# Altium PCB m-BLANC.PcbDoc (part 15 of 15)
Units mm, origin at the board's own origin, x right, y up, seen from the top; angles counter-clockwise.
Board outline 100 x 100 mm, 6 copper layers (Top Layer, InLayer1 (GND), InLayer2 (Signal), InLayer3 (PWR), InLayer4 (GND), Bottom Layer), stack 1.634 mm thick; 322 components, 563 nets, 2865 pads, 1870 vias.
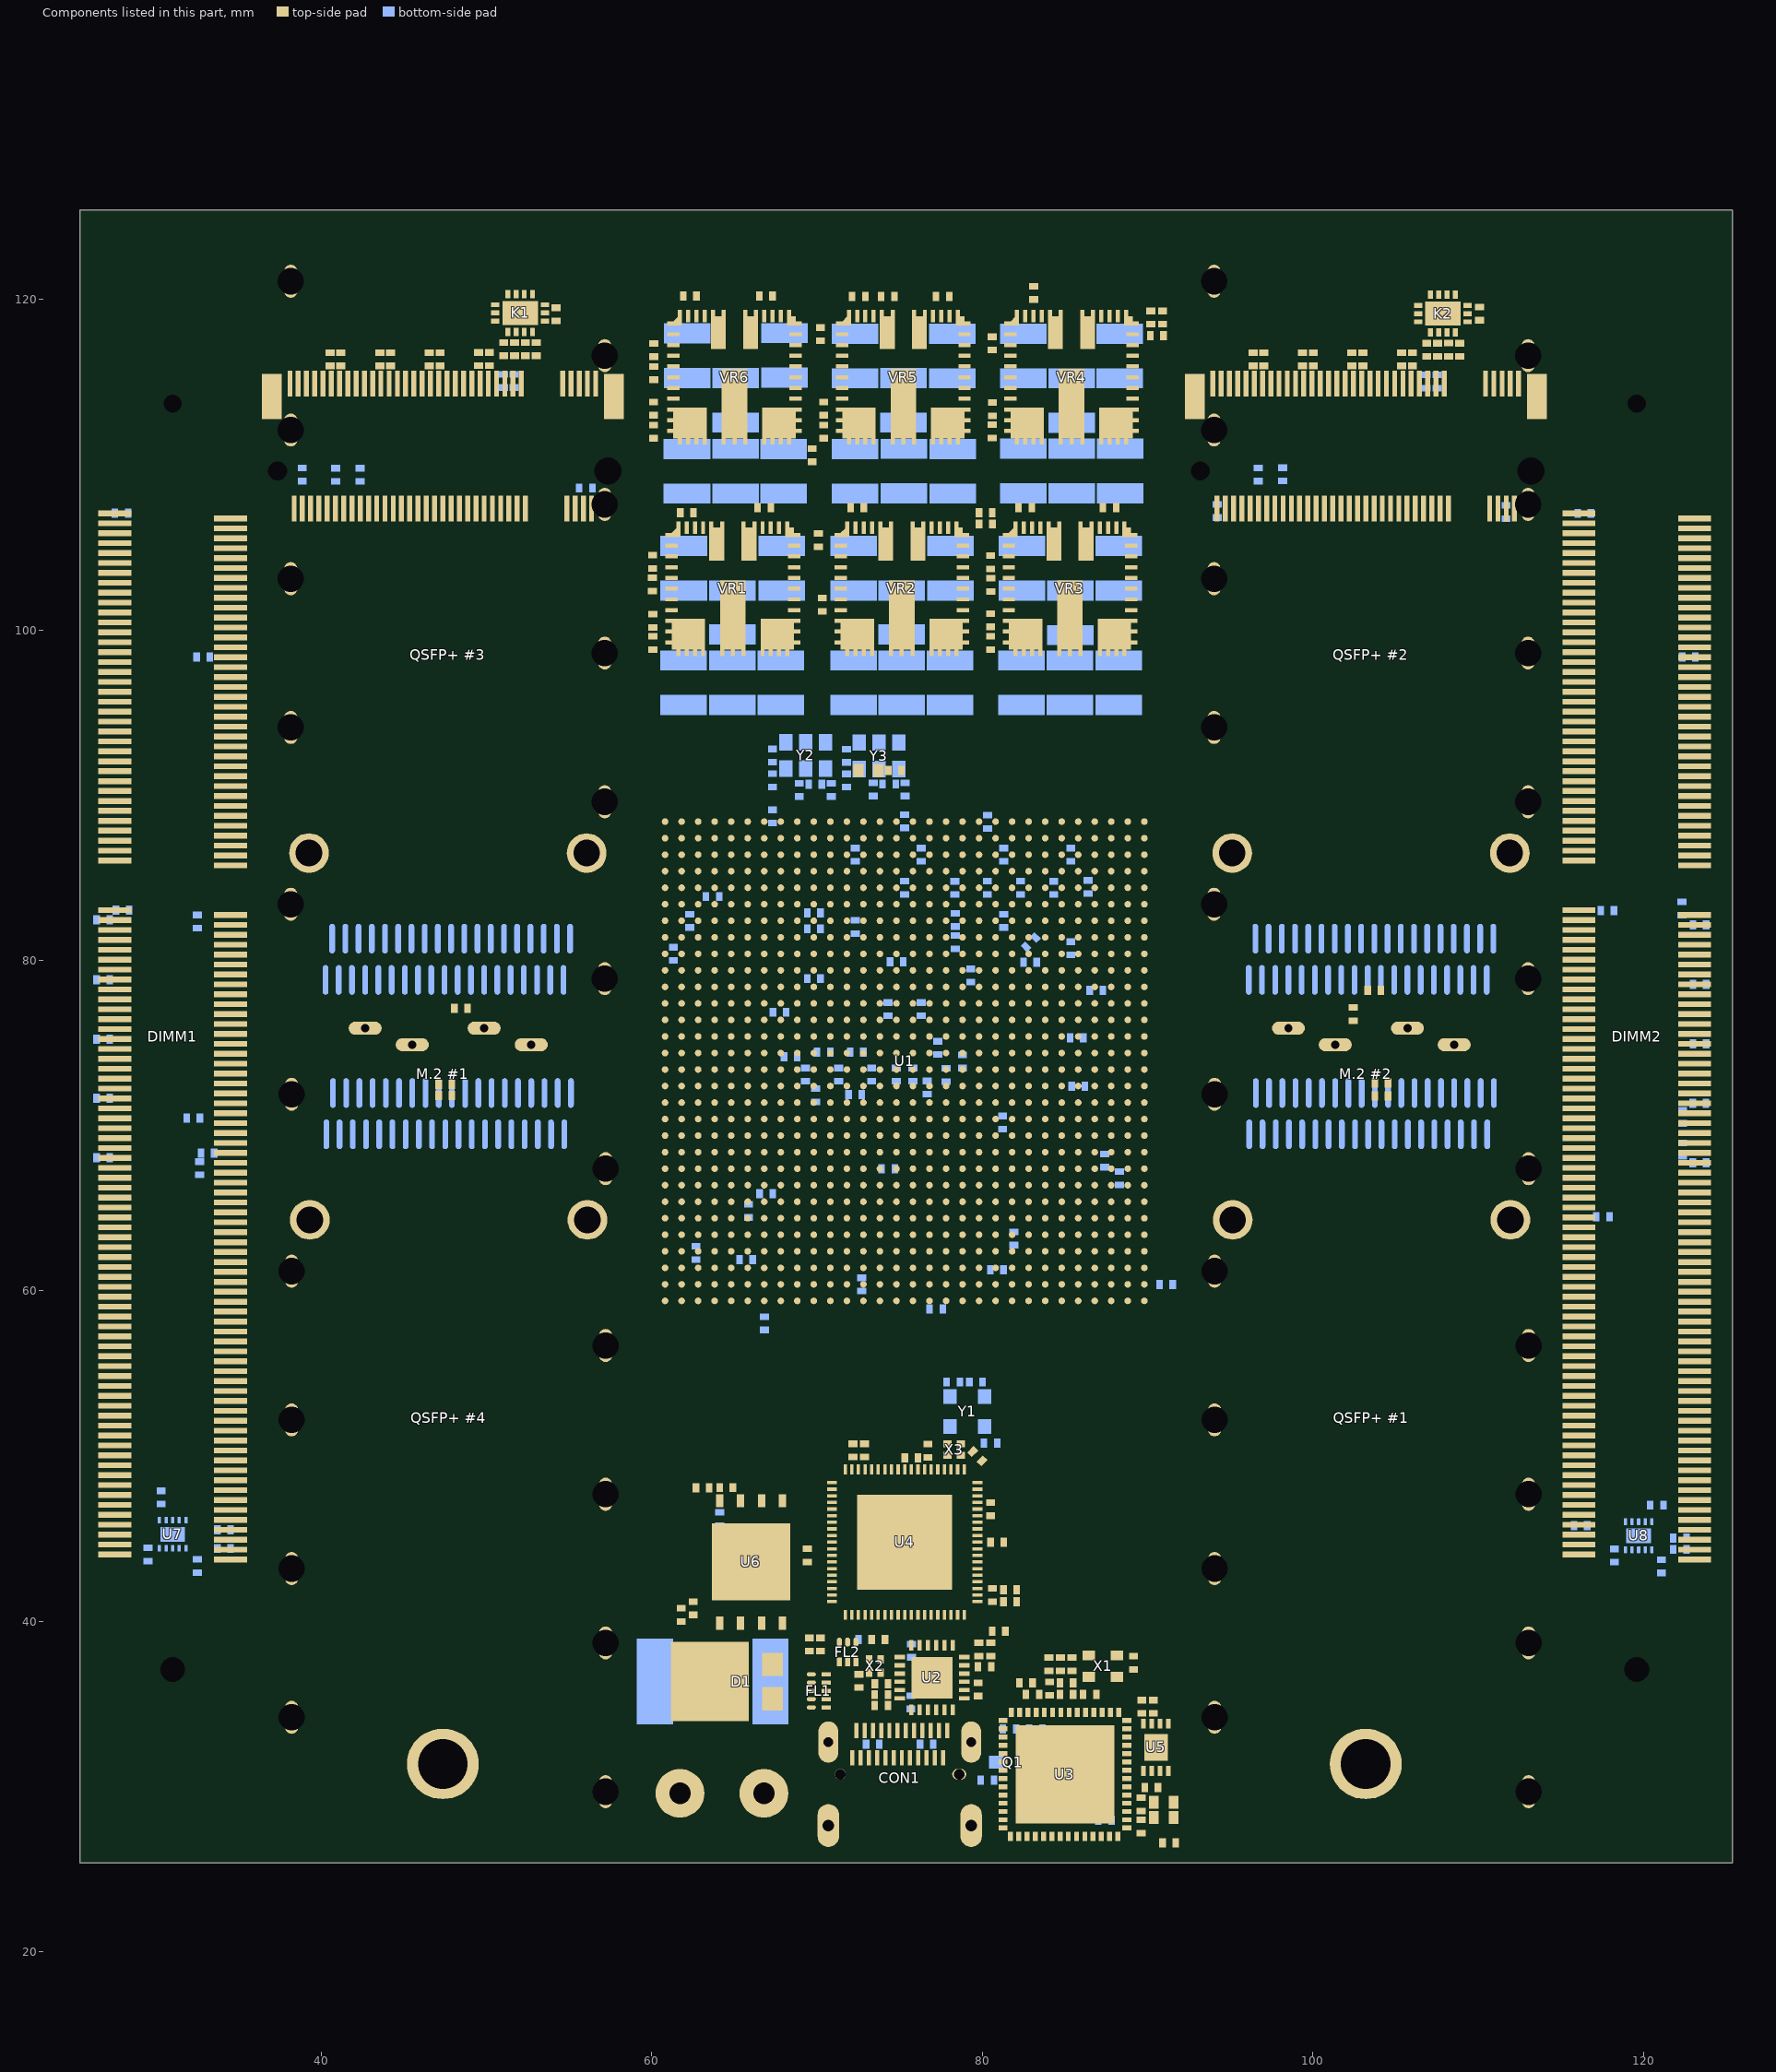
[diagram p19: the components of this part, seen from the top]

## Polygon pours and split planes (outlines as drawn) (continued)
1.2V on InLayer3 (PWR) "1.2V_L04_P013" (solid, pour order 13): 88.7,87.927 88.7,79.7 84.9,79.7 84.9,82.6 86.9,82.6 86.9,87.927
1.2V on InLayer3 (PWR) "1.2V_L04_P012" (solid, remove dead copper, pour order 12): 65.3,79.678 60.1,79.678 60.1,87.927 88.7,87.927 88.7,84.6 61.746,84.6 61.746,82.6 65.3,82.6
1.0V on InLayer3 (PWR) "1.0V_L04_P010" (solid, remove dead copper, pour order 10): 53.8,100.9 60,100.9 60,74.232 53.8,74.232
1.0V on InLayer3 (PWR) "1.0V_L04_P008" (solid, remove dead copper, pour order 8): 61.1,98.7 73.522,98.7 73.521,95 61.1,95
1.0V on InLayer3 (PWR) "1.0V_L04_P007" (solid, remove dead copper, pour order 7): 57.7,79.58 67,79.58 67,74.226 57.7,74.226
1.0V on InLayer3 (PWR) "1.0V_L04_P006" (solid, remove dead copper, pour order 6): 61.849,84.5 61.849,82.7 86.8,82.7 86.8,84.5
1.35V on InLayer3 (PWR) "1.35V_L04_P005" (solid, pour order 5): 80.82,58.5 83.9,58.5 83.9,72.2 80.834,72.2
1.35V on InLayer3 (PWR) "1.35V_L04_P002" (solid, pour order 2): 114.7,80.128 114.7,82.2 92.45,82.2 92.45,80.151
1.35V on InLayer3 (PWR) "1.35V_L04_P001" (solid, pour order 1): 113.2,85.707 113.2,83.704 124.422,83.704 124.422,85.696
1.35V on InLayer3 (PWR) "1.35V_L04_P000" (solid, pour order 0): 113.194,80.128 115.192,80.128 115.192,85.707 113.2,85.707
GND on Bottom Layer "GND_Bottom" (solid, remove dead copper, pour order 77): 25.4,125.4 125.4,125.4 125.4,25.4 25.4,25.4
VIN on Bottom Layer "VIN_L06_P076" (solid, pour order 76): 25.4,119.805 25.4,116.339 42.25,116.339 42.25,119.795
VIN on Bottom Layer "VIN_L06_P071" (solid, pour order 71): 39,121.341 39,117.872 60.5,117.872 60.5,121.328
GND on Bottom Layer "GND_L06_P056" (solid, pour order 56): 60.494,102.995 89.737,102.995 89.737,98.74 86.727,98.74 86.727,100.827 80.939,100.827 80.95,96.011 79.447,96.011 79.447,98.764 76.538,98.764 76.538,100.826 69.095,100.826 69.095,98.877 69.223,98.749 66.284,98.749 66.284,100.827 60.494,100.827
GND on Bottom Layer "GND_L06_P055" (solid, pour order 55): 60.68,115.842 89.727,115.842 89.728,115.842 89.728,111.582 86.8,111.582 86.8,113.662 81.074,113.662 81.084,113.652 81.084,108.818 79.6,108.818 79.6,111.56 76.635,111.56 76.635,113.656 70.894,113.656 70.904,113.646 70.904,108.833 69.4,108.84 69.4,111.561 66.499,111.561 66.499,113.651 60.686,113.651
NetD2_2 on Bottom Layer "NETD2_2_L06_P052" (solid, pour order 52): 68.275,38.959 66.075,38.959 66.075,31.1 65.3,31.1 65.3,28.1 68.275,28.1
GND on Bottom Layer "GND_L06_P047" (solid, pour order 47): 60.493,94.624 89.733,94.624 89.733,96.065 60.493,96.065
GND on Bottom Layer "GND_L06_P046" (solid, pour order 46): 60.592,107.426 89.732,107.426 89.732,108.867 60.592,108.867
VIN on Bottom Layer "VIN_L06_P042" (solid, pour order 42): 60.589,103.148 60.6,120.1 57.887,120.1 57.887,103.142
VIN on Bottom Layer "VIN_L06_P041" (solid, pour order 41): 60.41,103.148 89.732,103.129 89.732,107.323 60.399,107.323
VIN on Bottom Layer "VIN_L06_P040" (solid, pour order 40): 60.409,115.968 89.734,115.949 89.734,120.1 60.398,120.1
1.0V on Bottom Layer "1.0V_L06_P039" (solid, pour order 39): 69.095,100.826 76.538,100.826 76.538,98.764 79.447,98.764 79.447,96.164 69.105,96.164
1.0V on Bottom Layer "1.0V_L06_P038" (solid, pour order 38): 60.494,100.827 66.284,100.827 66.284,98.749 69.223,98.749 69.223,96.146 60.494,96.146
1.2V on Bottom Layer "1.2V_L06_P036" (solid, pour order 36): 80.939,100.827 86.727,100.827 86.727,98.74 89.733,98.74 89.733,96.139 80.949,96.139
1.35V on Bottom Layer "1.35V_L06_P035" (solid, pour order 35): 81.074,113.662 86.8,113.662 86.8,111.582 89.729,111.582 89.729,108.986 81.084,108.986
1.8V on Bottom Layer "1.8V_L06_P034" (solid, pour order 34): 70.894,113.656 76.635,113.656 76.635,111.56 79.6,111.56 79.6,108.959 70.904,108.959
3.3V on Bottom Layer "3.3V_L06_P033" (solid, pour order 33): 60.7,108.967 60.7,113.651 66.499,113.651 66.499,111.561 69.4,111.561 69.4,108.967
GND on InLayer1 (GND) "GND_InLayer1" (solid, remove dead copper, pour order 68): 25.4,125.4 125.4,125.4 125.4,25.4 25.4,25.4
1.8V on InLayer1 (GND) "1.8V_L02_P059" (solid, pour order 59): 71.421,101.2 73.911,101.2 73.89,74.246 70.592,74.246 70.592,72.5 79.053,72.5 79.053,74.246 76.746,74.246 76.746,103.6 71.421,103.6
1.8V on InLayer1 (GND) "1.8V_L02_P127" (solid, pour order 127): 69,83.2 81.5,83.2 81.5,81.3 69,81.3
1.8V on InLayer1 (GND) "1.8V_L02_P060" (solid, pour order 60): 69,83.2 81.5,83.2 81.5,81.3 69,81.3
GND on Top Layer "GND_Top" (solid, remove dead copper, pour order 130): 25.4,125.4 125.4,125.4 125.4,25.4 25.4,25.4
GND on InLayer4 (GND) "GND_InLayer4" (solid, remove dead copper, pour order 72): 25.4,125.4 125.4,125.4 125.4,25.4 25.4,25.4
GND on InLayer2 (Signal) "GND_InLayer2" (solid, remove dead copper, pour order 69): 25.4,125.4 125.4,125.4 125.4,25.4 25.4,25.4

## Keep-outs
Keep-Out Layer:
  the board outline again, w0.1

## Other copper
Top Layer:
  rectangle net 3.3V: 38.3,106.577 38.9,108.125
  rectangle net 3.3V: 94.07,106.577 94.815,108.125
  rectangle net 3.3V: 96.697,106.575 98.272,108.124
  rectangle net 3.3V: 40.721,106.575 42.478,108.124
  rectangle net 3.3V: 111.059,106.577 112.333,108.125
  rectangle net GND: 69.9,118.235 72.088,119.4
  rectangle net GND: 77.738,33.3 78.4,33.842
  rectangle net GND: 70.643,31.448 72.125,32.2
  rectangle net 3.3V: 55.197,106.575 56.47,108.124
  region net GND: 79.5,37.7 80.3,37.7 80.3,37 83.2,37 83.6,37.4 87.1,37.4 87.1,38.3 79.5,38.3
InLayer3 (PWR):
  rectangle net VIN: 59.797,34.572 65.197,38.172
  rectangle net 1.35V: 81.604,107.795 84.7,113.695
  rectangle net 3.3V: 61.209,111.523 63.409,115.78
  rectangle net 1.0V: 57.8,95 65.7,100.9
  rectangle net 1.2V: 81.505,94.994 83.705,100.894
  rectangle net 1.0V: 65.412,77.9 67,83.8
  rectangle net 1.0V: 69.5,94.995 73.521,100.895
InLayer1 (GND):
  rectangle net 1.8V: 71.421,101.2 73.621,113.689
Bottom Layer:
  rectangle net VIN: 61.067,34.157 65.599,38.572
  rectangle net 1.35V: 31.313,44.248 32.455,44.612

## Silkscreen, mask and mechanical layers (free items; w line width, h text height)
Top Overlay:
  drawing of 1206 lines, arcs and shapes, not listed
  text "2022/11/28 v0.3" at 41.95,122.493 h1
  text "mBLANC" at 96.054,118.254 h1.3
Bottom Overlay:
  drawing of 1105 lines, arcs and shapes, not listed
  text "Open Hardware" at 92.933,37.933 h0.9

## Text inside footprints (layer, text, board x,y; h text height)
CON1: Mechanical 1 "PCB Edge" at 72.95,25.852 h0.5
"M.2 #1": Mechanical 13 "2230" at 44.75,93.575 h1.52; Mechanical 13 "2242" at 44.55,74.875 h1.52; Mechanical 13 "2260" at 44.45,60.075 h1.52; Mechanical 13 "2280" at 44.35,40.875 h1.52
"M.2 #2": Mechanical 13 "2280" at 100.2,40.875 h1.52; Mechanical 13 "2260" at 100.3,60.075 h1.52; Mechanical 13 "2242" at 100.4,74.875 h1.52; Mechanical 13 "2230" at 100.6,93.575 h1.52